# Allegro board S071AA-0413-20260427.brd (continued)
## Routing (per net, layer and track width the routed paths; a pad name or vN(x,y) marks a point on that pad's centre or on a via; arc(x,y) is an arc through that point) (continued)
; D427.B13 100.14,381 ; D427.B13 98.52,381 ; D103.A2 166.18,55.88 ; D103.A2 164.56,55.88 ; D103.A2 165.37,55.07 ; D103.A2 165.37,56.69 ; 264.43,95.71 D105.A12 ; D105.A12 264.43,97.33 ; D105.A12 265.24,96.52 ; D105.A12 263.62,96.52 ; 188.23,370.03 D115.B7 ; D115.B7 189.04,370.84 ; D115.B7 187.42,370.84 ; D115.B7 188.23,371.65 ; D122.A7 105.22,73.66 ; D122.A7 104.41,72.85 ; D122.A7 104.41,74.47 ; D122.A7 103.6,73.66 ; 180.61,55.07 D103.A8 ; D103.A8 179.8,55.88 ; D103.A8 181.42,55.88 ; D103.A8 180.61,56.69 ; 179.8,35.56 D104.A8 ; D104.A8 181.42,35.56 ; D104.A8 180.61,34.75 ; D104.A8 180.61,36.37 ; 268.7,76.2 D106.A14 ; D106.A14 270.32,76.2 ; D106.A14 269.51,77.01 ; D106.A14 269.51,75.39 ; D108.A12 265.24,35.56 ; D108.A12 264.43,34.75 ; D108.A12 264.43,36.37 ; D108.A12 263.62,35.56 ; D121.A14 123,96.52 ; D121.A14 122.19,97.33 ; D121.A14 122.19,95.71 ; D121.A14 121.38,96.52 ; D111.A7 261.89,376.73 ; D111.A7 261.89,375.11 ; D111.A7 262.7,375.92 ; D111.A7 261.08,375.92 ; 239.03,80.47 D106.B2 ; D106.B2 239.84,81.28 ; D106.B2 238.22,81.28 ; D106.B2 239.03,82.09 ; 245.84,73.66 D106.A5 ; D106.A5 246.65,72.85 ; D106.A5 246.65,74.47 ; D106.A5 247.46,73.66 ; 266.16,73.66 D106.A13 ; D106.A13 267.78,73.66 ; D106.A13 266.97,72.85 ; D106.A13 266.97,74.47 ; D102.A12 191.58,76.2 ; D102.A12 190.77,75.39 ; D102.A12 189.96,76.2 ; D102.A12 190.77,77.01 ; 116.3,81.28 D122.B12 ; D122.B12 117.11,82.09 ; D122.B12 117.11,80.47 ; D122.B12 117.92,81.28 ; D232.B6 44.26,388.62 ; D232.B6 43.45,389.43 ; D232.B6 42.64,388.62 ; D232.B6 43.45,387.81 ; 91.71,342.09 CSDPS425.B16 ; CSDPS425.B16 91.71,343.71 ; CSDPS425.B16 90.9,342.9 ; CSDPS425.B16 92.52,342.9 ; D110.A10 255.08,353.06 ; D110.A10 253.46,353.06 ; D110.A10 254.27,352.25 ; D110.A10 254.27,353.87 ; 179.8,393.7 D116.A10 ; D116.A10 180.61,392.89 ; D116.A10 180.61,394.51 ; D116.A10 181.42,393.7 ; 188.23,77.93 D102.B11 ; D102.B11 187.42,78.74 ; D102.B11 189.04,78.74 ; D102.B11 188.23,79.55 ; D124.B7 105.22,38.1 ; D124.B7 104.41,38.91 ; D124.B7 104.41,37.29 ; D124.B7 103.6,38.1 ; D109.B10 254.27,328.47 ; D109.B10 254.27,326.85 ; D109.B10 255.08,327.66 ; D109.B10 253.46,327.66 ; D104.B4 170.45,41.45 ; D104.B4 170.45,39.83 ; D104.B4 171.26,40.64 ; D104.B4 169.64,40.64 ; D122.B4 96.79,82.09 ; D122.B4 97.6,81.28 ; D122.B4 95.98,81.28 ; D122.B4 96.79,80.47 ; 93.44,38.1 D124.B3 ; D124.B3 95.06,38.1 ; D124.B3 94.25,38.91 ; D124.B3 94.25,37.29 ; D116.B4 195.85,389.43 ; D116.B4 195.04,388.62 ; D116.B4 195.85,387.81 ; D116.B4 196.66,388.62 ; D121.B15 124.73,99.87 ; D121.B15 123.92,99.06 ; D121.B15 125.54,99.06 ; D121.B15 124.73,98.25 ; 96.79,39.83 D124.B4 ; D124.B4 96.79,41.45 ; D124.B4 97.6,40.64 ; D124.B4 95.98,40.64 ; D119.A1 16.32,53.34 ; D119.A1 15.51,52.53 ; D119.A1 15.51,54.15 ; D119.A1 14.7,53.34 ; 38.37,372.57 D231.A8 ; D231.A8 37.56,373.38 ; D231.A8 38.37,374.19 ; D231.A8 39.18,373.38 ; D104.B14 196.66,40.64 ; D104.B14 195.85,41.45 ; D104.B14 195.04,40.64 ; D104.B14 195.85,39.83 ; CSDPS425.B6 117.92,342.9 ; CSDPS425.B6 117.11,343.71 ; CSDPS425.B6 116.3,342.9 ; CSDPS425.B6 117.11,342.09 ; 126.46,81.28 D122.B16 ; D122.B16 127.27,82.09 ; D122.B16 127.27,80.47 ; D122.B16 128.08,81.28 ; 48.17,358.45 UHC430.G2_11 ; UHC430.G2_11 49.79,358.45 ; UHC430.G2_11 48.98,357.64 ; UHC430.G2_11 48.98,359.26 ; 99.33,32.21 D124.A5 ; D124.A5 100.14,33.02 ; D124.A5 99.33,33.83 ; D124.A5 98.52,33.02 ; 88.36,58.42 D123.B1 ; D123.B1 89.17,59.23 ; D123.B1 89.17,57.61 ; D123.B1 89.98,58.42 ; 40.1,401.32 D432.B7 ; D432.B7 40.91,402.13 ; D432.B7 40.91,400.51 ; D432.B7 41.72,401.32 ; 98.52,360.68 CSDPS426.C13 ; CSDPS426.C13 99.33,359.87 ; CSDPS426.C13 100.14,360.68 ; CSDPS426.C13 99.33,361.49 ; 129.81,390.35 D228.B1 ; D228.B1 130.62,391.16 ; D228.B1 129.81,391.97 ; D228.B1 129,391.16 ; D123.A1 89.98,53.34 ; D123.A1 89.17,54.15 ; D123.A1 89.17,52.53 ; D123.A1 88.36,53.34 ; D431.A9 36.64,386.08 ; D431.A9 35.02,386.08 ; D431.A9 35.83,386.89 ; D431.A9 35.83,385.27 ; 101.06,378.46 D427.B12 ; D427.B12 101.87,379.27 ; D427.B12 101.87,377.65 ; D427.B12 102.68,378.46 ; 251.73,329.39 D109.B11 ; D109.B11 252.54,330.2 ; D109.B11 250.92,330.2 ; D109.B11 251.73,331.01 ; D121.A16 128.08,96.52 ; D121.A16 126.46,96.52 ; D121.A16 127.27,97.33 ; D121.A16 127.27,95.71 ; D107.A2 239.03,56.69 ; D107.A2 239.84,55.88 ; D107.A2 238.22,55.88 ; D107.A2 239.03,55.07 ; 109.49,375.11 D227.A9 ; D227.A9 109.49,376.73 ; D227.A9 110.3,375.92 ; D227.A9 108.68,375.92 ; 241.57,390.35 D112.B15 ; D112.B15 242.38,391.16 ; D112.B15 241.57,391.97 ; D112.B15 240.76,391.16 ; 112.03,60.15 D123.B10 ; D123.B10 111.22,60.96 ; D123.B10 112.84,60.96 ; D123.B10 112.03,61.77 ; D232.A9 36.64,396.24 ; D232.A9 35.83,395.43 ; D232.A9 35.02,396.24 ; D232.A9 35.83,397.05 ; 89.17,375.11 D227.A17 ; D227.A17 89.98,375.92 ; D227.A17 88.36,375.92 ; D227.A17 89.17,376.73 ; 251.73,334.47 D109.A11 ; D109.A11 250.92,335.28 ; D109.A11 252.54,335.28 ; D109.A11 251.73,336.09 ; 114.57,77.93 D122.B11 ; D122.B11 113.76,78.74 ; D122.B11 114.57,79.55 ; D122.B11 115.38,78.74 ; 235.68,19.05 DPS1.C01 ; DPS1.C01 237.3,19.05 ; DPS1.C01 236.49,19.86 ; DPS1.C01 236.49,18.24 ; CSDPS429.B8 39.18,342.9 ; CSDPS429.B8 38.37,342.09 ; CSDPS429.B8 38.37,343.71 ; CSDPS429.B8 37.56,342.9 ; 127.27,75.39 D122.A16 ; D122.A16 128.08,76.2 ; D122.A16 126.46,76.2 ; D122.A16 127.27,77.01 ; DPS8.C01 56.96,410.21 ; DPS8.C01 55.34,410.21 ; DPS8.C01 56.15,409.4 ; DPS8.C01 56.15,411.02 ; D431.A16 18.05,384.35 ; D431.A16 18.86,383.54 ; D431.A16 18.05,382.73 ; D431.A16 17.24,383.54 ; 200.93,347.17 D114.B2 ; D114.B2 201.74,347.98 ; D114.B2 200.12,347.98 ; D114.B2 200.93,348.79 ; 167.1,78.74 D102.B3 ; D102.B3 167.91,79.55 ; D102.B3 168.72,78.74 ; D102.B3 167.91,77.93 ; D121.B16 128.08,101.6 ; D121.B16 126.46,101.6 ; D121.B16 127.27,100.79 ; D121.B16 127.27,102.41 ; D123.B3 95.06,58.42 ; D123.B3 94.25,59.23 ; D123.B3 93.44,58.42 ; D123.B3 94.25,57.61 ; 48.53,39.83 D120.B14 ; D120.B14 49.34,40.64 ; D120.B14 47.72,40.64 ; D120.B14 48.53,41.45 ; 106.95,331.93 CSDPS225.B10 ; CSDPS225.B10 106.14,332.74 ; CSDPS225.B10 106.95,333.55 ; CSDPS225.B10 107.76,332.74 ; D114.B16 165.37,348.79 ; D114.B16 166.18,347.98 ; D114.B16 164.56,347.98 ; D114.B16 165.37,347.17 ; D122.B7 104.41,79.55 ; D122.B7 103.6,78.74 ; D122.B7 105.22,78.74 ; D122.B7 104.41,77.93 ; D107.A14 270.32,55.88 ; D107.A14 269.51,55.07 ; D107.A14 269.51,56.69 ; D107.A14 268.7,55.88 ; 109.49,400.51 D428.B9 ; D428.B9 110.3,401.32 ; D428.B9 108.68,401.32 ; D428.B9 109.49,402.13 ; CSDPS229.C9 35.83,331.01 ; CSDPS229.C9 35.02,330.2 ; CSDPS229.C9 35.83,329.39 ; CSDPS229.C9 36.64,330.2 ; 17.24,35.56 D120.A2 ; D120.A2 18.05,34.75 ; D120.A2 18.05,36.37 ; D120.A2 18.86,35.56 ; 248.38,393.7 D112.A12 ; D112.A12 250,393.7 ; D112.A12 249.19,392.89 ; D112.A12 249.19,394.51 ; 254.27,367.49 D111.B10 ; D111.B10 255.08,368.3 ; D111.B10 253.46,368.3 ; D111.B10 254.27,369.11 ; D227.B5 119.65,371.65 ; D227.B5 119.65,370.03 ; D227.B5 118.84,370.84 ; D227.B5 120.46,370.84 ; D116.B14 170.45,389.43 ; D116.B14 170.45,387.81 ; D116.B14 169.64,388.62 ; D116.B14 171.26,388.62 ; D110.B12 249.19,348.79 ; D110.B12 248.38,347.98 ; D110.B12 250,347.98 ; D110.B12 249.19,347.17 ; 126.46,383.54 D427.A2 ; D427.A2 127.27,384.35 ; D427.A2 127.27,382.73 ; D427.A2 128.08,383.54 ; D104.A7 178.88,33.02 ; D104.A7 177.26,33.02 ; D104.A7 178.07,32.21 ; D104.A7 178.07,33.83 ; D101.A15 198.39,94.79 ; D101.A15 199.2,93.98 ; D101.A15 198.39,93.17 ; D101.A15 197.58,93.98 ; CSDPS226.B16 91.71,353.87 ; CSDPS226.B16 92.52,353.06 ; CSDPS226.B16 91.71,352.25 ; CSDPS226.B16 90.9,353.06 ; 189.96,327.66 D113.B6 ; D113.B6 190.77,326.85 ; D113.B6 190.77,328.47 ; D113.B6 191.58,327.66 ; 167.91,390.35 D116.B15 ; D116.B15 167.1,391.16 ; D116.B15 167.91,391.97 ; D116.B15 168.72,391.16 ; 177.26,396.24 D116.A11 ; D116.A11 178.88,396.24 ; D116.A11 178.07,395.43 ; D116.A11 178.07,397.05 ; D121.B7 104.41,99.87 ; D121.B7 104.41,98.25 ; D121.B7 105.22,99.06 ; D121.B7 103.6,99.06 ; 246.65,37.29 D108.B5 ; D108.B5 247.46,38.1 ; D108.B5 245.84,38.1 ; D108.B5 246.65,38.91 ; 106.14,60.96 D123.B8 ; D123.B8 106.95,61.77 ; D123.B8 106.95,60.15 ; D123.B8 107.76,60.96 ; 99.33,370.03 D227.B13 ; D227.B13 100.14,370.84 ; D227.B13 98.52,370.84 ; D227.B13 99.33,371.65 ; D432.A15 21.4,406.4 ; D432.A15 20.59,405.59 ; D432.A15 20.59,407.21 ; D432.A15 19.78,406.4 ; D232.A4 49.34,393.7 ; D232.A4 48.53,392.89 ; D232.A4 48.53,394.51 ; D232.A4 47.72,393.7 ; 165.37,387.81 D116.B16 ; D116.B16 165.37,389.43 ; D116.B16 166.18,388.62 ; D116.B16 164.56,388.62 ; D107.B12 265.24,60.96 ; D107.B12 264.43,61.77 ; D107.B12 264.43,60.15 ; D107.B12 263.62,60.96 ; 185.69,39.83 D104.B10 ; D104.B10 185.69,41.45 ; D104.B10 186.5,40.64 ; D104.B10 184.88,40.64 ; 96.79,387.81 D228.B14 ; D228.B14 96.79,389.43 ; D228.B14 95.98,388.62 ; D228.B14 97.6,388.62 ; CSDPS226.C3 125.54,350.52 ; CSDPS226.C3 124.73,349.71 ; CSDPS226.C3 123.92,350.52 ; CSDPS226.C3 124.73,351.33 ; D124.A6 102.68,35.56 ; D124.A6 101.06,35.56 ; D124.A6 101.87,34.75 ; D124.A6 101.87,36.37 ; 106.14,378.46 D427.B10 ; D427.B10 107.76,378.46 ; D427.B10 106.95,377.65 ; D427.B10 106.95,379.27 ; 45.99,395.43 D232.A5 ; D232.A5 46.8,396.24 ; D232.A5 45.18,396.24 ; D232.A5 45.99,397.05 ; D119.A7 31.56,53.34 ; D119.A7 29.94,53.34 ; D119.A7 30.75,52.53 ; D119.A7 30.75,54.15 ; D228.B16 92.52,388.62 ; D228.B16 90.9,388.62 ; D228.B16 91.71,387.81 ; D228.B16 91.71,389.43 ; D110.B5 267.78,350.52 ; D110.B5 266.97,349.71 ; D110.B5 266.97,351.33 ; D110.B5 266.16,350.52 ; D231.B6 44.26,368.3 ; D231.B6 43.45,367.49 ; D231.B6 42.64,368.3 ; D231.B6 43.45,369.11 ; DPS1.A01 236.49,14.78 ; DPS1.A01 235.68,13.97 ; DPS1.A01 236.49,13.16 ; DPS1.A01 237.3,13.97 ; D106.A1 237.3,73.66 ; D106.A1 235.68,73.66 ; D106.A1 236.49,74.47 ; D106.A1 236.49,72.85 ; 191.58,96.52 D101.A12 190.77,95.71 ; D123.A7 104.41,54.15 ; D123.A7 104.41,52.53 ; D123.A7 103.6,53.34 ; D123.A7 105.22,53.34 ; 35.02,406.4 D432.A9 ; D432.A9 35.83,405.59 ; D432.A9 36.64,406.4 ; D432.A9 35.83,407.21 ; 16.88,361.14 UHC430.G1 ; UHC430.G1 16.07,361.95 ; UHC430.G1 16.88,362.76 ; UHC430.G1 17.69,361.95 ; CSDPS426.C3 124.73,361.49 ; CSDPS426.C3 124.73,359.87 ; CSDPS426.C3 125.54,360.68 ; CSDPS426.C3 123.92,360.68 ; D113.A14 170.45,333.55 ; D113.A14 170.45,331.93 ; D113.A14 171.26,332.74 ; D113.A14 169.64,332.74 ; 112.03,75.39 D122.A10 ; D122.A10 112.84,76.2 ; D122.A10 111.22,76.2 ; D122.A10 112.03,77.01 ; D113.A11 178.88,335.28 ; D113.A11 178.07,336.09 ; D113.A11 178.07,334.47 ; D113.A11 177.26,335.28 ; 180.61,80.47 D102.B8 ; D102.B8 179.8,81.28 ; D102.B8 180.61,82.09 ; D102.B8 181.42,81.28 ; 96.79,95.71 D121.A4 ; D121.A4 97.6,96.52 ; D121.A4 96.79,97.33 ; D121.A4 95.98,96.52 ; 261.08,38.1 D108.B11 ; D108.B11 261.89,38.91 ; D108.B11 262.7,38.1 ; D108.B11 261.89,37.29 ; 189.96,332.74 D113.A6 ; D113.A6 191.58,332.74 ; D113.A6 190.77,331.93 ; D113.A6 190.77,333.55 ; 99.33,13.16 DPS3.A05 ; DPS3.A05 98.52,13.97 ; DPS3.A05 100.14,13.97 ; DPS3.A05 99.33,14.78 ; 108.68,406.4 D428.A9 ; D428.A9 109.49,405.59 ; D428.A9 109.49,407.21 ; D428.A9 110.3,406.4 ; D108.B7 251.73,38.91 ; D108.B7 252.54,38.1 ; D108.B7 251.73,37.29 ; D108.B7 250.92,38.1 ; 106.95,55.07 D123.A8 ; D123.A8 106.14,55.88 ; D123.A8 106.95,56.69 ; D123.A8 107.76,55.88 ; 15.51,57.61 D119.B1 ; D119.B1 15.51,59.23 ; D119.B1 14.7,58.42 ; D119.B1 16.32,58.42 ; 17.22,363.7 UHC430.G1_4 ; UHC430.G1_4 18.03,362.89 ; UHC430.G1_4 18.84,363.7 ; UHC430.G1_4 18.03,364.51 ; 18.37,348.29 UHC230.G4_11 ; UHC230.G4_11 19.18,349.1 ; UHC230.G4_11 19.99,348.29 ; UHC230.G4_11 19.18,347.48
  L03_DIG w0.132: D227.B15 94.25,371.65 ; D227.B15 95.06,370.84 ; D227.B15 93.44,370.84 ; D227.B15 94.25,370.03 ; D101.B7 178.07,99.87 ; D101.B7 178.88,99.06 ; D101.B7 177.26,99.06 ; D101.B7 178.07,98.25 ; 35.02,396.24 D232.A9 ; D232.A9 35.83,397.05 ; D232.A9 36.64,396.24 ; D232.A9 35.83,395.43 ; D227.B12 102.68,368.3 ; D227.B12 101.87,369.11 ; D227.B12 101.06,368.3 ; D227.B12 101.87,367.49 ; D232.B5 46.8,391.16 ; D232.B5 45.99,391.97 ; D232.B5 45.18,391.16 ; D232.B5 45.99,390.35 ; 19.18,357.64 UHC430.G1_11 ; UHC430.G1_11 19.99,358.45 ; UHC430.G1_11 19.18,359.26 ; UHC430.G1_11 18.37,358.45 ; 264.43,100.79 D105.B12 ; D105.B12 263.62,101.6 ; D105.B12 265.24,101.6 ; D105.B12 264.43,102.41 ; 22.32,101.6 D117.B4 ; D117.B4 23.13,100.79 ; D117.B4 23.94,101.6 ; D117.B4 23.13,102.41 ; 239.03,60.15 D107.B2 ; D107.B2 239.84,60.96 ; D107.B2 238.22,60.96 ; D107.B2 239.03,61.77 ; CSDPS225.C11 105.22,330.2 ; CSDPS225.C11 104.41,331.01 ; CSDPS225.C11 103.6,330.2 ; CSDPS225.C11 104.41,329.39 ; D105.A11 262.7,93.98 ; D105.A11 261.08,93.98 ; D105.A11 261.89,94.79 ; D105.A11 261.89,93.17 ; D118.B6 28.21,82.09 ; D118.B6 29.02,81.28 ; D118.B6 27.4,81.28 ; D118.B6 28.21,80.47 ; 241.57,98.25 D105.B3 ; D105.B3 241.57,99.87 ; D105.B3 240.76,99.06 ; D105.B3 242.38,99.06 ; 254.27,39.83 D108.B8 ; D108.B8 255.08,40.64 ; D108.B8 254.27,41.45 ; D108.B8 253.46,40.64 ; 248.38,373.38 D111.A12 ; D111.A12 249.19,372.57 ; D111.A12 250,373.38 ; D111.A12 249.19,374.19 ; 15.51,390.35 D232.B17 ; D232.B17 15.51,391.97 ; D232.B17 14.7,391.16 ; D232.B17 16.32,391.16 ; 109.49,72.85 D122.A9 ; D122.A9 108.68,73.66 ; D122.A9 109.49,74.47 ; D122.A9 110.3,73.66 ; 111.22,101.6 D121.B10 ; D121.B10 112.03,102.41 ; D121.B10 112.03,100.79 ; D121.B10 112.84,101.6 ; D106.B16 275.4,81.28 ; D106.B16 273.78,81.28 ; D106.B16 274.59,80.47 ; D106.B16 274.59,82.09 ; D231.B4 49.34,368.3 ; D231.B4 47.72,368.3 ; D231.B4 48.53,367.49 ; D231.B4 48.53,369.11 ; D110.A6 265.24,353.06 ; D110.A6 264.43,353.87 ; D110.A6 264.43,352.25 ; D110.A6 263.62,353.06 ; 111.22,368.3 D227.B8 ; D227.B8 112.84,368.3 ; D227.B8 112.03,367.49 ; D227.B8 112.03,369.11 ; 114.57,13.16 DPS3.A11 ; DPS3.A11 113.76,13.97 ; DPS3.A11 115.38,13.97 ; DPS3.A11 114.57,14.78 ; 53.61,34.75 D120.A16 ; D120.A16 53.61,36.37 ; D120.A16 52.8,35.56 ; D120.A16 54.42,35.56 ; D109.A16 239.84,332.74 ; D109.A16 238.22,332.74 ; D109.A16 239.03,331.93 ; D109.A16 239.03,333.55 ; 272.05,77.93 D106.B15 ; D106.B15 272.05,79.55 ; D106.B15 271.24,78.74 ; D106.B15 272.86,78.74 ; D108.A3 242.38,33.02 ; D108.A3 241.57,33.83 ; D108.A3 241.57,32.21 ; D108.A3 240.76,33.02 ; 17.22,360.2 UHC430.G1_9 ; UHC430.G1_9 18.03,361.01 ; UHC430.G1_9 18.84,360.2 ; UHC430.G1_9 18.03,359.39 ; D107.A12 265.24,55.88 ; D107.A12 264.43,55.07 ; D107.A12 263.62,55.88 ; D107.A12 264.43,56.69 ; 94.25,329.39 CSDPS225.C15 ; CSDPS225.C15 95.06,330.2 ; CSDPS225.C15 93.44,330.2 ; CSDPS225.C15 94.25,331.01 ; 200.93,372.57 D115.A2 ; D115.A2 200.93,374.19 ; D115.A2 201.74,373.38 ; D115.A2 200.12,373.38 ; D124.B8 106.95,41.45 ; D124.B8 106.95,39.83 ; D124.B8 106.14,40.64 ; D124.B8 107.76,40.64 ; D114.B11 178.07,351.33 ; D114.B11 178.07,349.71 ; D114.B11 177.26,350.52 ; D114.B11 178.88,350.52 ; D428.A9 109.49,407.21 ; D428.A9 109.49,405.59 ; D428.A9 108.68,406.4 ; D428.A9 110.3,406.4 ; 53.61,387.81 D232.B2 ; D232.B2 53.61,389.43 ; D232.B2 52.8,388.62 ; D232.B2 54.42,388.62 ; 116.3,378.46 D427.B6 ; D427.B6 117.11,377.65 ; D427.B6 117.11,379.27 ; D427.B6 117.92,378.46 ; 124.73,400.51 D428.B3 ; D428.B3 123.92,401.32 ; D428.B3 125.54,401.32 ; D428.B3 124.73,402.13 ; D428.B2 128.08,398.78 ; D428.B2 126.46,398.78 ; D428.B2 127.27,399.59 ; D428.B2 127.27,397.97 ; 16.88,364.64 UHC430.G1_2 ; UHC430.G1_2 16.88,366.26 ; UHC430.G1_2 16.07,365.45 ; UHC430.G1_2 17.69,365.45 ; D108.A1 236.49,33.83 ; D108.A1 236.49,32.21 ; D108.A1 237.3,33.02 ; D108.A1 235.68,33.02 ; 167.1,412.75 DPS2.B15 ; DPS2.B15 167.91,413.56 ; DPS2.B15 168.72,412.75 ; DPS2.B15 167.91,411.94 ; 235.68,73.66 D106.A1 ; D106.A1 236.49,72.85 ; D106.A1 236.49,74.47 ; D106.A1 237.3,73.66 ; 30.75,72.85 D118.A7 ; D118.A7 30.75,74.47 ; D118.A7 31.56,73.66 ; D118.A7 29.94,73.66 ; 99.33,339.55 CSDPS425.C13 ; CSDPS425.C13 100.14,340.36 ; CSDPS425.C13 98.52,340.36 ; CSDPS425.C13 99.33,341.17 ; D122.B16 128.08,81.28 ; D122.B16 126.46,81.28 ; D122.B16 127.27,82.09 ; D122.B16 127.27,80.47 ; 101.87,352.25 CSDPS226.B12 ; CSDPS226.B12 101.06,353.06 ; CSDPS226.B12 101.87,353.87 ; CSDPS226.B12 102.68,353.06 ; 112.03,382.73 D427.A8 ; D427.A8 112.03,384.35 ; D427.A8 112.84,383.54 ; D427.A8 111.22,383.54 ; 99.33,72.85 D122.A5 ; D122.A5 99.33,74.47 ; D122.A5 100.14,73.66 ; D122.A5 98.52,73.66 ; 38.37,387.81 D232.B8 ; D232.B8 39.18,388.62 ; D232.B8 38.37,389.43 ; D232.B8 37.56,388.62 ; 187.42,78.74 D102.B11 ; D102.B11 188.23,77.93 ; D102.B11 188.23,79.55 ; D102.B11 189.04,78.74 ; 37.56,96.52 D117.A10 ; D117.A10 38.37,97.33 ; D117.A10 38.37,95.71 ; D117.A10 39.18,96.52 ; 94.25,375.11 D227.A15 ; D227.A15 95.06,375.92 ; D227.A15 94.25,376.73 ; D227.A15 93.44,375.92 ; D106.A9 257.62,73.66 ; D106.A9 256.81,74.47 ; D106.A9 256,73.66 ; D106.A9 256.81,72.85 ; 126.46,393.7 D228.A2 ; D228.A2 127.27,392.89 ; D228.A2 127.27,394.51 ; D228.A2 128.08,393.7 ; D122.B5 99.33,79.55 ; D122.B5 100.14,78.74 ; D122.B5 99.33,77.93 ; D122.B5 98.52,78.74 ; D432.A1 56.15,407.21 ; D432.A1 56.15,405.59 ; D432.A1 56.96,406.4 ; D432.A1 55.34,406.4 ; 27.4,35.56 D120.A6 ; D120.A6 28.21,36.37 ; D120.A6 28.21,34.75 ; D120.A6 29.02,35.56 ; 45.18,330.2 CSDPS229.C5 ; CSDPS229.C5 46.8,330.2 ; CSDPS229.C5 45.99,329.39 ; CSDPS229.C5 45.99,331.01 ; 266.97,329.39 D109.B5 ; D109.B5 267.78,330.2 ; D109.B5 266.16,330.2 ; D109.B5 266.97,331.01 ; D113.B16 165.37,328.47 ; D113.B16 164.56,327.66 ; D113.B16 166.18,327.66 ; D113.B16 165.37,326.85 ; 39.54,156.72 KS4.7 ; KS4.7 40.66,155.6 ; KS4.7 41.77,156.72 ; KS4.7 40.66,157.84 ; D123.B9 110.3,58.42 ; D123.B9 108.68,58.42 ; D123.B9 109.49,57.61 ; D123.B9 109.49,59.23 ; CSDPS429.B2 53.61,343.71 ; CSDPS429.B2 53.61,342.09 ; CSDPS429.B2 52.8,342.9 ; CSDPS429.B2 54.42,342.9 ; 109.49,339.55 CSDPS425.C9 ; CSDPS425.C9 109.49,341.17 ; CSDPS425.C9 108.68,340.36 ; CSDPS425.C9 110.3,340.36 ; UHC430.G1_13 15.39,358.45 ; UHC430.G1_13 14.58,359.26 ; UHC430.G1_13 13.77,358.45 ; UHC430.G1_13 14.58,357.64 ; D117.A5 26.48,93.98 ; D117.A5 25.67,94.79 ; D117.A5 25.67,93.17 ; D117.A5 24.86,93.98 ; CSDPS429.C9 35.83,341.17 ; CSDPS429.C9 35.83,339.55 ; CSDPS429.C9 36.64,340.36 ; CSDPS429.C9 35.02,340.36 ; 169.64,388.62 D116.B14 ; D116.B14 171.26,388.62 ; D116.B14 170.45,389.43 ; D116.B14 170.45,387.81 ; 165.37,331.93 D113.A16 ; D113.A16 164.56,332.74 ; D113.A16 166.18,332.74 ; D113.A16 165.37,333.55 ; 246.65,349.71 D110.B13 ; D110.B13 246.65,351.33 ; D110.B13 247.46,350.52 ; D110.B13 245.84,350.52 ; 124.73,329.39 CSDPS225.C3 ; CSDPS225.C3 124.73,331.01 ; CSDPS225.C3 125.54,330.2 ; CSDPS225.C3 123.92,330.2 ; CSDPS425.C15 95.06,340.36 ; CSDPS425.C15 94.25,341.17 ; CSDPS425.C15 93.44,340.36 ; CSDPS425.C15 94.25,339.55 ; 93.44,350.52 CSDPS226.C15 ; CSDPS226.C15 94.25,349.71 ; CSDPS226.C15 94.25,351.33 ; CSDPS226.C15 95.06,350.52 ; 37.56,101.6 D117.B10 ; D117.B10 38.37,102.41 ; D117.B10 39.18,101.6 ; D117.B10 38.37,100.79 ; 202.66,412.75 DPS2.B01 ; DPS2.B01 203.47,411.94 ; DPS2.B01 203.47,413.56 ; DPS2.B01 204.28,412.75 ; D109.B14 244.11,328.47 ; D109.B14 244.11,326.85 ; D109.B14 244.92,327.66 ; D109.B14 243.3,327.66 ; 45.18,78.74 D118.B13 ; D118.B13 45.99,79.55 ; D118.B13 45.99,77.93 ; D118.B13 46.8,78.74 ; D110.B8 260.16,347.98 ; D110.B8 259.35,347.17 ; D110.B8 258.54,347.98 ; D110.B8 259.35,348.79 ; 263.62,60.96 D107.B12 ; D107.B12 264.43,61.77 ; D107.B12 264.43,60.15 ; D107.B12 265.24,60.96 ; 129.81,359.87 CSDPS426.C1 ; CSDPS426.C1 130.62,360.68 ; CSDPS426.C1 129,360.68 ; CSDPS426.C1 129.81,361.49 ; D231.B5 45.99,371.65 ; D231.B5 45.18,370.84 ; D231.B5 46.8,370.84 ; D231.B5 45.99,370.03 ; 261.08,16.51 DPS1.B11 ; DPS1.B11 261.89,17.32 ; DPS1.B11 262.7,16.51 ; DPS1.B11 261.89,15.7 ; D428.A10 106.95,404.67 ; D428.A10 107.76,403.86 ; D428.A10 106.95,403.05 ; D428.A10 106.14,403.86 ; 264.43,95.71 D105.A12 ; D105.A12 264.43,97.33 ; D105.A12 265.24,96.52 ; D105.A12 263.62,96.52 ; D228.B11 104.41,391.97 ; D228.B11 104.41,390.35 ; D228.B11 103.6,391.16 ; D228.B11 105.22,391.16 ; D227.A3 124.73,376.73 ; D227.A3 123.92,375.92 ; D227.A3 124.73,375.11 ; D227.A3 125.54,375.92 ; D113.B4 196.66,327.66 ; D113.B4 195.04,327.66 ; D113.B4 195.85,328.47 ; D113.B4 195.85,326.85 ; D104.A14 195.85,36.37 ; D104.A14 195.85,34.75 ; D104.A14 195.04,35.56 ; D104.A14 196.66,35.56 ; D113.A10 181.42,332.74 ; D113.A10 179.8,332.74 ; D113.A10 180.61,333.55 ; D113.A10 180.61,331.93 ; D228.B14 97.6,388.62 ; D228.B14 96.79,389.43 ; D228.B14 96.79,387.81 ; D228.B14 95.98,388.62 ; 95.98,368.3 D227.B14 ; D227.B14 97.6,368.3 ; D227.B14 96.79,367.49 ; D227.B14 96.79,369.11 ; 180.61,372.57 D115.A10 ; D115.A10 181.42,373.38 ; D115.A10 180.61,374.19 ; D115.A10 179.8,373.38 ; 190.77,100.79 D101.B12 ; D101.B12 191.58,101.6 ; D101.B12 190.77,102.41 ; D101.B12 189.96,101.6 ; 175.53,60.15 D103.B6 ; D103.B6 176.34,60.96 ; D103.B6 174.72,60.96 ; D103.B6 175.53,61.77 ; 175.53,372.57 D115.A12 ; D115.A12 174.72,373.38 ; D115.A12 176.34,373.38 ; D115.A12 175.53,374.19 ; D228.B6 117.92,388.62 ; D228.B6 116.3,388.62 ; D228.B6 117.11,389.43 ; D228.B6 117.11,387.81 ; D108.A14 270.32,35.56 ; D108.A14 269.51,36.37 ; D108.A14 268.7,35.56 ; D108.A14 269.51,34.75 ; D102.A1 162.83,74.47 ; D102.A1 163.64,73.66 ; D102.A1 162.83,72.85 ; D102.A1 162.02,73.66 ; 24.86,375.92 D231.A13 ; D231.A13 25.67,375.11 ; D231.A13 25.67,376.73 ; D231.A13 26.48,375.92 ; D116.A12 175.53,394.51 ; D116.A12 174.72,393.7 ; D116.A12 176.34,393.7 ; D116.A12 175.53,392.89 ; 197.58,73.66 D102.A15 ; D102.A15 198.39,74.47 ; D102.A15 199.2,73.66 ; D102.A15 198.39,72.85 ; D123.B3 94.25,59.23 ; D123.B3 93.44,58.42 ; D123.B3 95.06,58.42 ; D123.B3 94.25,57.61 ; 29.94,415.29 DPS8.A11 ; DPS8.A11 31.56,415.29 ; DPS8.A11 30.75,414.48 ; DPS8.A11 30.75,416.1 ; D107.A1 236.49,54.15 ; D107.A1 236.49,52.53 ; D107.A1 235.68,53.34 ; D107.A1 237.3,53.34 ; 192.5,415.29 DPS2.A05 ; DPS2.A05 194.12,415.29 ; DPS2.A05 193.31,414.48 ; DPS2.A05 193.31,416.1 ; 113.76,401.32 D428.B7 ; D428.B7 114.57,402.13 ; D428.B7 115.38,401.32 ; D428.B7 114.57,400.51 ; D113.A2 201.74,332.74 ; D113.A2 200.12,332.74 ; D113.A2 200.93,333.55 ; D113.A2 200.93,331.93 ; CSDPS429.C1 56.96,340.36 ; CSDPS429.C1 55.34,340.36 ; CSDPS429.C1 56.15,341.17 ; CSDPS429.C1 56.15,339.55 ; 238.22,347.98 D110.B16 ; D110.B16 239.03,347.17 ; D110.B16 239.03,348.79 ; D110.B16 239.84,347.98 ; D102.B16 201.74,81.28 ; D102.B16 200.12,81.28 ; D102.B16 200.93,80.47 ; D102.B16 200.93,82.09 ; 45.99,380.19 D431.B5 ; D431.B5 45.18,381 ; D431.B5 46.8,381 ; D431.B5 45.99,381.81 ; 258.54,368.3 D111.B8 ; D111.B8 260.16,368.3 ; D111.B8 259.35,367.49 ; D111.B8 259.35,369.11 ; 90.9,363.22 CSDPS426.B16 ; CSDPS426.B16 92.52,363.22 ; CSDPS426.B16 91.71,364.03 ; CSDPS426.B16 91.71,362.41 ; 197.58,93.98 D101.A15 ; D101.A15 198.39,93.17 ; D101.A15 198.39,94.79 ; D101.A15 199.2,93.98 ; D106.A15 272.86,73.66 ; D106.A15 272.05,74.47 ; D106.A15 271.24,73.66 ; D106.A15 272.05,72.85 ; 56.15,380.19 D431.B1 ; D431.B1 56.96,381 ; D431.B1 55.34,381 ; D431.B1 56.15,381.81 ; 124.73,385.27 D427.A3 ; D427.A3 123.92,386.08 ; D427.A3 125.54,386.08 ; D427.A3 124.73,386.89 ; CSDPS429.B12 29.02,342.9 ; CSDPS429.B12 27.4,342.9 ; CSDPS429.B12 28.21,343.71 ; CSDPS429.B12 28.21,342.09 ; 189.96,393.7 D116.A6 ; D116.A6 190.77,394.51 ; D116.A6 190.77,392.89 ; D116.A6 191.58,393.7 ; CSDPS225.C1 129.81,331.01 ; CSDPS225.C1 130.62,330.2 ; CSDPS225.C1 129.81,329.39 ; CSDPS225.C1 129,330.2 ; 53.61,331.93 CSDPS229.B2 ; CSDPS229.B2 52.8,332.74 ; CSDPS229.B2 54.42,332.74 ; CSDPS229.B2 53.61,333.55 ; D106.A3 241.57,74.47 ; D106.A3 242.38,73.66 ; D106.A3 241.57,72.85 ; D106.A3 240.76,73.66 ; 240.76,350.52 D110.B15 ; D110.B15 241.57,351.33 ; D110.B15 242.38,350.52 ; D110.B15 241.57,349.71 ; D104.B10 185.69,41.45 ; D104.B10 184.88,40.64 ; D104.B10 186.5,40.64 ; D104.B10 185.69,39.83 ; D123.A2 91.71,56.69 ; D123.A2 90.9,55.88 ; D123.A2 91.71,55.07 ; D123.A2 92.52,55.88 ; D121.A12 117.92,96.52 ; D121.A12 117.11,97.33 ; D121.A12 117.11,95.71 ; D121.A12 116.3,96.52 ; D105.A1 237.3,93.98 ; D105.A1 236.49,94.79 ; D105.A1 236.49,93.17 ; D105.A1 235.68,93.98 ; 37.56,35.56 D120.A10 ; D120.A10 38.37,34.75 ; D120.A10 38.37,36.37 ; D120.A10 39.18,35.56 ; 271.24,355.6 D110.A3 ; D110.A3 272.05,356.41 ; D110.A3 272.86,355.6 ; D110.A3 272.05,354.79 ; 19.78,93.98 D117.A3 ; D117.A3 20.59,93.17 ; D117.A3 21.4,93.98 ; D117.A3 20.59,94.79 ; 164.56,40.64 D104.B2 ; D104.B2 165.37,41.45 ; D104.B2 165.37,39.83 ; D104.B2 166.18,40.64 ; 15.51,57.61 D119.B1 ; D119.B1 16.32,58.42 ; D119.B1 15.51,59.23 ; D119.B1 14.7,58.42 ; 90.9,353.06 CSDPS226.B16 ; CSDPS226.B16 92.52,353.06 ; CSDPS226.B16 91.71,352.25 ; CSDPS226.B16 91.71,353.87 ; D112.A11 251.73,397.05 ; D112.A11 251.73,395.43 ; D112.A11 252.54,396.24 ; D112.A11 250.92,396.24 ; 17.24,40.64 D120.B2 ; D120.B2 18.86,40.64 ; D120.B2 18.05,41.45 ; D120.B2 18.05,39.83 ; D432.B16 18.05,399.59 ; D432.B16 18.05,397.97 ; D432.B16 17.24,398.78 ; D432.B16 18.86,398.78 ; D108.B12 265.24,40.64 ; D108.B12 264.43,41.45 ; D108.B12 263.62,40.64 ; D108.B12 264.43,39.83 ; D120.B6 29.02,40.64 ; D120.B6 28.21,39.83 ; D120.B6 28.21,41.45 ; D120.B6 27.4,40.64 ; D111.B1 277.13,371.65 ; D111.B1 277.94,370.84 ; D111.B1 276.32,370.84 ; D111.B1 277.13,370.03 ; 89.17,375.11 D227.A17 ; D227.A17 88.36,375.92 ; D227.A17 89.98,375.92 ; D227.A17 89.17,376.73 ; 268.7,393.7 D112.A4 ; D112.A4 269.51,392.89 ; D112.A4 269.51,394.51 ; D112.A4 270.32,393.7 ; D102.B13 194.12,78.74 ; D102.B13 193.31,79.55 ; D102.B13 193.31,77.93 ; D102.B13 192.5,78.74 ; 192.5,391.16 D116.B5 ; D116.B5 193.31,391.97 ; D116.B5 194.12,391.16 ; D116.B5 193.31,390.35 ; 121.38,76.2 D122.A14 ; D122.A14 122.19,77.01 ; D122.A14 122.19,75.39 ; D122.A14 123,76.2 ; 45.99,395.43 D232.A5 ; D232.A5 46.8,396.24 ; D232.A5 45.99,397.05 ; D232.A5 45.18,396.24 ; D432.A2 53.61,404.67 ; D432.A2 53.61,403.05 ; D432.A2 52.8,403.86 ; D432.A2 54.42,403.86 ; 37.56,368.3 D231.B8 ; D231.B8 38.37,369.11 ; D231.B8 38.37,367.49 ; D231.B8 39.18,368.3 ; 112.03,392.89 D228.A8 ; D228.A8 112.84,393.7 ; D228.A8 111.22,393.7 ; D228.A8 112.03,394.51 ; 178.07,77.93 D102.B7 ; D102.B7 177.26,78.74 ; D102.B7 178.88,78.74 ; D102.B7 178.07,79.55 ; CSDPS226.C5 120.46,350.52 ; CSDPS226.C5 119.65,349.71 ; CSDPS226.C5 119.65,351.33 ; CSDPS226.C5 118.84,350.52 ; 200.93,100.79 D101.B16 ; D101.B16 200.12,101.6 ; D101.B16 200.93,102.41 ; D101.B16 201.74,101.6 ; 29.94,78.74 D118.B7 ; D118.B7 30.75,77.93 ; D118.B7 31.56,78.74 ; D118.B7 30.75,79.55 ; 17.22,350.04 UHC230.G4_9 ; UHC230.G4_9 18.84,350.04 ; UHC230.G4_9 18.03,349.23 ; UHC230.G4_9 18.03,350.85 ; 42.64,393.7 D232.A6 ; D232.A6 43.45,394.51 ; D232.A6 43.45,392.89 ; D232.A6 44.26,393.7 ; 104.41,385.27 D427.A11 ; D427.A11 104.41,386.89 ; D427.A11 105.22,386.08 ; D427.A11 103.6,386.08 ; 17.24,81.28 D118.B2 ; D118.B2 18.86,81.28 ; D118.B2 18.05,82.09 ; D118.B2 18.05,80.47 ; 17.24,388.62 D232.B16 ; D232.B16 18.05,387.81 ; D232.B16 18.05,389.43 ; D232.B16 18.86,388.62 ; D119.B8 34.1,60.96 ; D119.B8 32.48,60.96 ; D119.B8 33.29,61.77 ; D119.B8 33.29,60.15 ; D104.A15 198.39,33.83 ; D104.A15 199.2,33.02 ; D104.A15 197.58,33.02 ; D104.A15 198.39,32.21 ; 180.61,95.71 D101.A8 ; D101.A8 179.8,96.52 ; D101.A8 181.42,96.52 ; D101.A8 180.61,97.33 ; 40.1,381 D431.B7 ; D431.B7 40.91,381.81 ; D431.B7 40.91,380.19 ; D431.B7 41.72,381 ; D102.B10 185.69,82.09 ; D102.B10 184.88,81.28 ; D102.B10 186.5,81.28 ; D102.B10 185.69,80.47 ; 187.42,58.42 D103.B11 ; D103.B11 188.23,59.23 ; D103.B11 189.04,58.42 ; D103.B11 188.23,57.61 ; 188.23,354.79 D114.A7 ; D114.A7 188.23,356.41 ; D114.A7 189.04,355.6 ; D114.A7 187.42,355.6 ; 109.49,380.19 D427.B9 ; D427.B9 108.68,381 ; D427.B9 109.49,381.81 ; D427.B9 110.3,381 ; D427.B10 107.76,378.46 ; D427.B10 106.95,379.27 ; D427.B10 106.95,377.65 ; D427.B10 106.14,378.46 ; 25.67,395.43 D232.A13 ; D232.A13 26.48,396.24 ; D232.A13 24.86,396.24 ; D232.A13 25.67,397.05 ; 40.91,390.35 D232.B7 ; D232.B7 40.1,391.16 ; D232.B7 41.72,391.16 ; D232.B7 40.91,391.97 ; D120.B1 15.51,38.91 ; D120.B1 16.32,38.1 ; D120.B1 15.51,37.29 ; D120.B1 14.7,38.1 ; D123.B12 117.11,61.77 ; D123.B12 117.11,60.15 ; D123.B12 117.92,60.96 ; D123.B12 116.3,60.96 ; 19.78,73.66 D118.A3 ; D118.A3 21.4,73.66 ; D118.A3 20.59,74.47 ; D118.A3 20.59,72.85 ; D115.A16 165.37,374.19 ; D115.A16 166.18,373.38 ; D115.A16 165.37,372.57 ; D115.A16 164.56,373.38 ; 119.65,93.17 D121.A13 ; D121.A13 119.65,94.79 ; D121.A13 120.46,93.98 ; D121.A13 118.84,93.98 ; D103.A3 168.72,53.34 ; D103.A3 167.91,54.15 ; D103.A3 167.1,53.34 ; D103.A3 167.91,52.53 ; DPS3.A15 125.54,13.97 ; DPS3.A15 123.92,13.97 ; DPS3.A15 124.73,13.16 ; DPS3.A15 124.73,14.78 ; 200.12,76.2 D102.A16 ; D102.A16 201.74,76.2 ; D102.A16 200.93,77.01 ; D102.A16 200.93,75.39 ; D117.B3 21.4,99.06 ; D117.B3 19.78,99.06 ; D117.B3 20.59,99.87 ; D117.B3 20.59,98.25 ; D108.A16 274.59,36.37 ; D108.A16 275.4,35.56 ; D108.A16 274.59,34.75 ; D108.A16 273.78,35.56 ; 28.21,367.49 D231.B12 ; D231.B12 28.21,369.11 ; D231.B12 29.02,368.3 ; D231.B12 27.4,368.3 ; D427.B2 128.08,378.46 ; D427.B2 126.46,378.46 ; D427.B2 127.27,377.65 ; D427.B2 127.27,379.27 ; D227.A11 105.22,375.92 ; D227.A11 104.41,375.11 ; D227.A11 103.6,375.92 ; D227.A11 104.41,376.73 ; 240.76,58.42 D107.B3 ; D107.B3 241.57,59.23 ; D107.B3 242.38,58.42 ; D107.B3 241.57,57.61 ; D115.A5 193.31,376.73 ; D115.A5 193.31,375.11 ; D115.A5 194.12,375.92 ; D115.A5 192.5,375.92 ; 244.11,39.83 D108.B4 ; D108.B4 243.3,40.64 ; D108.B4 244.11,41.45 ; D108.B4 244.92,40.64 ; D107.B14 269.51,61.77 ; D107.B14 268.7,60.96 ; D107.B14 269.51,60.15 ; D107.B14 270.32,60.96 ; D104.A2 165.37,36.37 ; D104.A2 164.56,35.56 ; D104.A2 166.18,35.56 ; D104.A2 165.37,34.75 ; 108.68,78.74 D122.B9 ; D122.B9 109.49,77.93 ; D122.B9 110.3,78.74 ; D122.B9 109.49,79.55 ; D118.A2 18.86,76.2 ; D118.A2 17.24,76.2 ; D118.A2 18.05,75.39 ; D118.A2 18.05,77.01 ; D109.A1 277.13,336.09 ; D109.A1 277.94,335.28 ; D109.A1 276.32,335.28 ; D109.A1 277.13,334.47 ; 14.7,53.34 D119.A1 ; D119.A1 15.51,54.15 ; D119.A1 16.32,53.34 ; D119.A1 15.51,52.53 ; D111.A8 260.16,373.38 ; D111.A8 259.35,372.57 ; D111.A8 259.35,374.19 ; D111.A8 258.54,373.38 ; 51.07,57.61 D119.B15 ; D119.B15 50.26,58.42 ; D119.B15 51.88,58.42 ; D119.B15 51.07,59.23 ; 244.11,55.07 D107.A4 ; D107.A4 243.3,55.88 ; D107.A4 244.92,55.88 ; D107.A4 244.11,56.69 ; D110.A12 250,353.06 ; D110.A12 249.19,352.25 ; D110.A12 249.19,353.87 ; D110.A12 248.38,353.06 ; 254.27,331.93 D109.A10 ; D109.A10 255.08,332.74 ; D109.A10 253.46,332.74 ; D109.A10 254.27,333.55 ; D427.A15 94.25,386.89 ; D427.A15 95.06,386.08 ; D427.A15 94.25,385.27 ; D427.A15 93.44,386.08 ; 25.67,390.35 D232.B13 ; D232.B13 24.86,391.16 ; D232.B13 26.48,391.16 ; D232.B13 25.67,391.97 ; D227.A16 92.52,373.38 ; D227.A16 91.71,372.57 ; D227.A16 91.71,374.19 ; D227.A16 90.9,373.38 ; 18.05,34.75 D120.A2 ; D120.A2 17.24,35.56 ; D120.A2 18.05,36.37 ; D120.A2 18.86,35.56 ; D118.B9 36.64,78.74 ; D118.B9 35.83,79.55 ; D118.B9 35.83,77.93 ; D118.B9 35.02,78.74 ; DPS3.C01 89.17,19.86 ; DPS3.C01 89.17,18.24 ; DPS3.C01 89.98,19.05 ; DPS3.C01 88.36,19.05 ; D103.A16 201.74,55.88 ; D103.A16 200.12,55.88 ; D103.A16 200.93,56.69 ; D103.A16 200.93,55.07 ; D432.A15 20.59,407.21 ; D432.A15 19.78,406.4 ; D432.A15 20.59,405.59 ; D432.A15 21.4,406.4 ; CSDPS429.B14 23.94,342.9 ; CSDPS429.B14 23.13,343.71 ; CSDPS429.B14 22.32,342.9 ; CSDPS429.B14 23.13,342.09 ; D114.A16 165.37,353.87 ; D114.A16 165.37,352.25 ; D114.A16 166.18,353.06 ; D114.A16 164.56,353.06 ; D106.B4 244.92,81.28 ; D106.B4 244.11,82.09 ; D106.B4 244.11,80.47 ; D106.B4 243.3,81.28 ; CSDPS229.B14 23.13,333.55 ; CSDPS229.B14 23.94,332.74 ; CSDPS229.B14 22.32,332.74 ; CSDPS229.B14 23.13,331.93 ; D228.A15 94.25,397.05 ; D228.A15 93.44,396.24 ; D228.A15 94.25,395.43 ; D228.A15 95.06,396.24 ; 261.08,73.66 D106.A11 ; D106.A11 262.7,73.66 ; D106.A11 261.89,74.47 